# Altium PCB board_layout.pcbdoc (part 1 of 4) (continued)
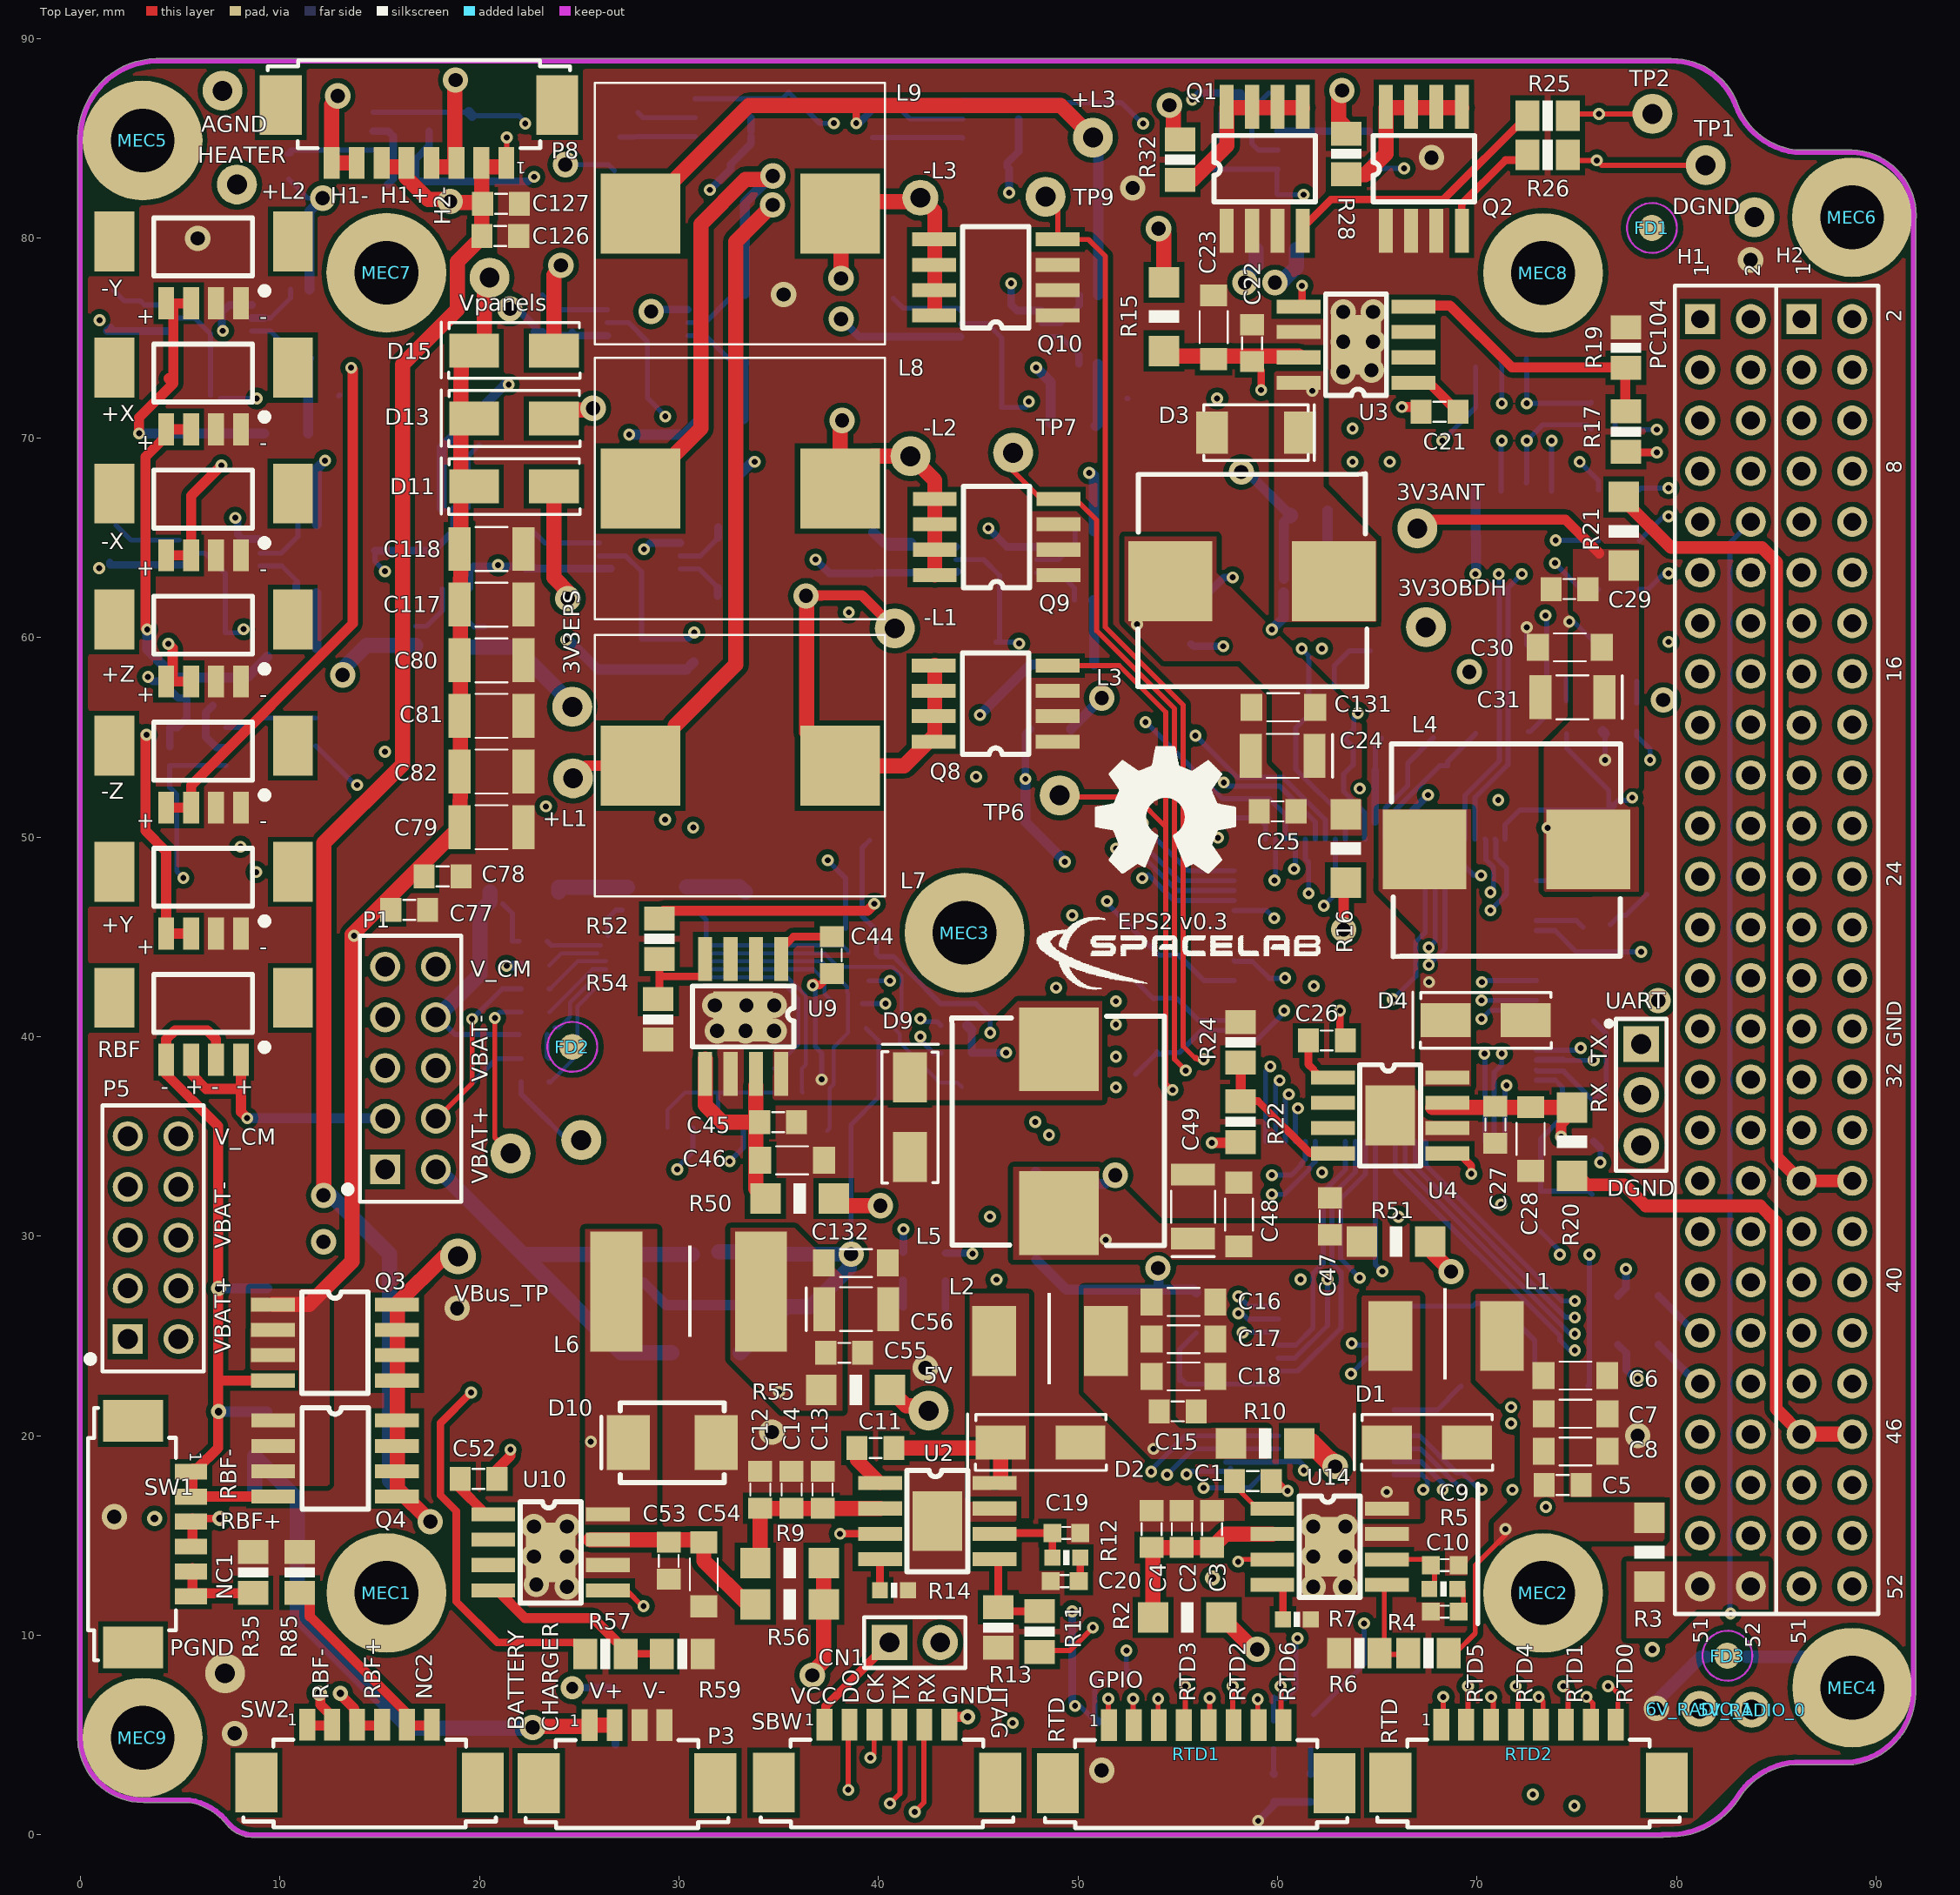
[diagram p0: Top Layer view]
## Components (designator, comment, footprint, x,y, rotation, side; value= is the part's Value field where it differs from the comment) (continued)
R14 "140k" 0603 40.775,12.256 r180 top
R15 "0R" 1206 54.306,76.076 r90 top
R16 "0R" 1206 63.41,49.426 r90 top
R17 "10k" 0805 77.456,70.312 r270 top
R18 "1k" 0603 72.716,55.876 r90 bottom
R19 "5K9" 0805 77.456,74.522 r270 top
R20 "0R" 1206 74.756,34.736 r270 top
R21 "0R" 1206 77.344,65.326 r270 top
R22 "10k" 0805 58.153,35.736 r270 top
R23 "1k" 0603 76.286,55.996 r90 bottom
R24 "5K9" 0805 58.153,39.716 r270 top
R25 "1k" 0805 73.536,86.146 r0 top
R26 "1k" 0805 73.536,84.186 r0 top
R27 "1.65K" 0805 57.646,17.356 r90 bottom
R28 "0R" 0805 63.442,84.231 r270 top
R29 "0.02R/0.5W" "1206 - ohmite" 11,75.726 r90 bottom
R30 "3k3" R0805 5.5,73.5 r0 bottom
R31 "1k" 0603 26.824,6.504 r270 bottom
R32 "0R" 0805 55.116,83.946 r270 top
R33 "150R" 0603 22.795,38.894 r0 bottom
R34 "1k" 0603 22.795,42.399 r180 bottom
R35 "100K 1/10W" 0805 8.67,13.154 r90 top
R36 "4.02K" 0805 16.326,65.516 r270 bottom
R37 "1k" 0603 40.075,40.419 r180 bottom
R38 "470R" 0603 35.506,37.196 r180 bottom
R39 "1k" 0603 22.795,37.726 r180 bottom
R40 "1k" 0603 22.795,41.231 r180 bottom
R41 "0.02R/0.5W" "1206 - ohmite" 11.35,63.904 r90 bottom
R42 "150R" 0603 38.825,42.8 r0 bottom
R43 "1k" 0603 22.795,43.568 r0 bottom
R44 "150R" 0603 39.075,44.282 r0 bottom
R45 "300K" 0603 64.666,84.593 r270 bottom
R46 "0R" 1206 35.046,47.236 r0 bottom
R47 "0R" 1206 22.256,47.236 r0 bottom
R48 "3k3" R0805 6.236,61.625 r0 bottom
R49 "0.02R/0.5W" "1206 - ohmite" 32.8,75.466 r90 bottom
R50 "0R" 1206 36.046,31.896 r0 top
R51 "0R" 1206 65.936,29.726 r180 top
R52 "10k" 0805 29.026,44.906 r90 top
R53 "1k" 0603 43.354,28.452 r90 bottom
R54 "5K9" 0805 28.966,40.866 r90 top
R55 "0R" 1206 38.856,22.306 r180 top
R56 "0R" 1206 35.545,11.559 r0 top
R57 "10k" 0805 26.316,9.076 r180 top
R58 "1k" 0603 41.226,28.503 r270 bottom
R59 "3.24k 1/8W" 0805 30.166,9.076 r180 top
R60 "1k" 0603 78.076,55.876 r270 bottom
R61 "1k" 0603 74.479,55.876 r270 bottom
R62 "47k" 0603 51.826,7.916 r0 bottom
R64 "4K7" 0603 39.1,45.425 r0 bottom
R65 "10k" R0603 76.209,70.45 r180 bottom
R66 "10k" R0603 76.209,71.774 r180 bottom
R67 "3k3" R0805 27.333,73.516 r0 bottom
R68 "0.02R/0.5W" "1206 - ohmite" 32.431,63.771 r90 bottom
R69 "93K1" 0603 10.446,83.656 r270 bottom
R70 "300K" 0603 11.805,55.27 r270 bottom
R71 "100K" 0603 11.761,84.936 r270 bottom
R72 "3k3" R0805 27.136,61.45 r0 bottom
R73 "100K" 0603 10.48,55.27 r90 bottom
R74 "93K1" 0603 26.766,84.096 r270 bottom
R75 "0.02R/0.5W" "1206 - ohmite" 50.556,75.366 r90 bottom
R76 "100K" 0603 27.946,85.606 r270 bottom
R77 "3k3" R0805 45.016,73.225 r0 bottom
R78 "0.02R/0.5W" "1206 - ohmite" 50.3,63.579 r90 bottom
R79 "3k3" R0805 45,61.481 r0 bottom
R80 "1k" R0603 75.996,45.486 r180 bottom
R81 "93K1" 0603 39.707,85.755 r90 bottom
R82 "100K" 0603 41.102,85.755 r270 bottom
R83 "10k" R0603 43.819,40.572 r180 bottom
R84 "10k" R0603 43.819,39.175 r180 bottom
R85 "100K 1/10W" 0805 10.99,13.154 r90 top
R86 "100K" 0603 63.341,84.593 r90 bottom
R87 "0R" 0805 78.076,27.008 r180 bottom
R88 "0R" 0805 78.076,24.568 r180 bottom
R89 "0R" 0805 77.107,67.4 r180 bottom
R90 "0R" 0805 77.107,64.85 r180 bottom
R91 "0R" 0805 77.107,62.41 r180 bottom
R92 "150R" R0603 38.5,41.65 r180 bottom
R93 "0R" 1206 31.36,24.17 r0 bottom
R_ESD "1.2M" 0805 82.49,8.93 r0 bottom
RBF "0533980471" "PICOBLADE 4PIN VERTICAL" 8.056,38.846 r180 top
RSense1 "0.01R/0.5W" "1206 - ohmite" 28.886,46.816 r0 bottom
Rsense3 "0.075R/0.5W" "1206 - ohmite" 18.51,60.09 r0 bottom
RTD1 "0532610871" "PICOBLADE 8PIN RIGHT ANGLE" 55.921,4.05 r0 top
RTD2 "0532610871" "PICOBLADE 8PIN RIGHT ANGLE" 72.577,4.075 r0 top
SBW "0532610671" "PICOBLADE 6PIN Right Angle" 40.425,4.075 r0 top
SW1 "0532610671" "PICOBLADE 6PIN Right Angle" 4.1,15.075 r270 top
SW2 "0532610671" "PICOBLADE 6PIN Right Angle" 14.5,4.075 r0 top
SYSTEM_FAULT "150060RS75000" 0603-RED-LED 78.56,47.83 r90 bottom
SYSTEM_ON "RED" 0603-LED 78.066,58.696 r90 bottom
TP1 "TEST_POINT" TEST_POINT#1 81.456,83.666 r0 top
TP2 "TEST_POINT" TEST_POINT#1 78.786,86.236 r0 top
TP6 "TEST_POINT" TEST_POINT#1 49.08,52.09 r0 top
TP7 "TEST_POINT" TEST_POINT#1 46.746,69.256 r0 top
TP9 "TEST_POINT" TEST_POINT#1 48.376,82.086 r0 top
U2 "TPS54540QDDARQ1" "SO8 Power PAD" 40.076,17.63 r0 top
U3 "TPS5410QDRQ1" "SO8 Power PAD" 66.806,72.766 r180 top
U4 "TPS5420QDRQ1" "SO8 Power PAD" 62.767,37.956 r0 top
U5 "ADS1248IPW" TSSOP28 65.836,26.496 r180 bottom
U6 "FDS6898AZ" SOIC8 29.426,35.426 r270 bottom
U7 "DS2777G+" TDFN-14-EP_3x5 26.346,42.576 r0 bottom
U9 "TPS5420QDRQ1" "SO8 Power PAD" 35.126,43.886 r270 top
U10 "TPS5430QDDARQ1" "SO8 Power PAD" 20.696,16.066 r0 top
U12 "MSP430F6659IPZR" PZ0100A_N 65.396,42.316 r270 bottom value=Value
U13 "REF5025AQDRQ1" SOIC-8 60.936,59.866 r270 bottom
U14 "TPS54540QDDARQ1" "SO8 Power PAD" 59.736,16.346 r0 top
U15 "MAX9934TAUA+" MSOP-8 6.57,76.334 r0 bottom
U16 "MAX9934TAUA+" MSOP-8 6.982,64.554 r0 bottom
U17 "TLV341AIDBVR" "SOT-23 6L" 16.076,85.366 r90 bottom
U18 "MAX9934TAUA+" MSOP-8 28.43,76.104 r0 bottom
U19 "TLV341AIDBVR" "SOT-23 6L" 5.886,54.486 r270 bottom
U20 "MAX9934TAUA+" MSOP-8 28.04,64.414 r0 bottom
U21 "TLV341AIDBVR" "SOT-23 6L" 32.216,86.047 r90 bottom
U22 "MAX9934TAUA+" MSOP-8 46.141,76.051 r0 bottom
U24 "TLV341AIDBVR" "SOT-23 6L" 45.627,85.98 r90 bottom
U25 "MAX9934TAUA+" MSOP-8 45.921,64.221 r0 bottom
U26 "TLV341AIDBVR" "SOT-23 6L" 58.616,84.416 r270 bottom
U27 "MAX9934TAUA+" MSOP-8 19.116,64.466 r270 bottom
U28 "TCA4311ADR" SOIC8 69.966,73.54 r270 bottom
UART "DNP" "HDR 1X3" 78.225,39.625 r270 top
V1 "47k" 0805 75.83,41.81 r90 bottom
V2 "47k" 0805 75.83,35.76 r90 bottom
V3 "47k" 0805 76.771,32.1 r0 bottom
V4 "47k" 0805 73.181,31.246 r90 bottom
VBUS_LED "DNP" 0603-LED 26.834,3.816 r270 bottom
VBus_TP "TEST_POINT" TEST_POINT#2 18.93,28.986 r90 top
Vpanels "TEST_POINT" TEST_POINT#1 20.51,78.03 r90 top
Y1 "32MHz 10ppm" XTAL_ABM8X 53.886,40.586 r135 bottom
Y2 "32.768kHz 12.5pF" "ABS06 0805" 67.526,53.576 r0 bottom

## Footprints (in the part's own frame and the unit in brackets; to place one, negate y for a bottom-side part, rotate by r counter-clockwise, add the part's x,y. Pads: shape width x height; smd on the part's side, far side on the other; paste and mask are expansions set on the pad)
0603 [mm]
  rect 0.8x0.8 smd: 1(-0.699,0) 2(0.699,0)
  silkscreen extent -0.17,-0.38 0.16,0.38, body extent -1,-0.39 1,0.39, height 0.79
0603-LED [mil]
  rect 30x30 smd: 1(-27.5,0)
  rect 31.5x31.5 smd: 2(27.5,0)
  silkscreen extent -5,-14 6,14, body extent -32,-16 32,16, height 43
0603-RED-LED [mil]
  rect 30x30 smd: 1(-27.5,0)
  rect 31.5x31.5 smd: 2(27.5,0)
  silkscreen extent -5,-14 6,14, body extent -32,-16 32,16, height 43
0805 [mil]
  rect 47.24x60 smd: 1(-40,0) 2(40,0)
  silkscreen extent -10,-30 10,30, body extent -50,-24 49,25, height 31
1206 [mil]
  rect 60x60 smd: 1(-67.5,0) 2(67.5,0)
  silkscreen extent -12,-30 13,30, body extent -79,-31 78,32, height 60
"1206 - ohmite" [mm]
  rect 1.5x0.57 smd: 1(-1.725,0.475) 2(1.725,0.5) 3(-1.725,-0.475) 4(1.725,-0.45)
  silkscreen extent -0.32,-0.76 0.32,0.76, body extent -2.01,-0.8 1.99,0.8, height 1.53
"ABS06 0805" [mm]
  rect 1x1.3 smd: 1(-1,0) 2(1,0)
  silkscreen extent -1.7,-0.85 1.7,0.85, body extent -1,-0.6 1,0.62, height 0.6
CC0603 [mm] "TDK mlccspec_commercial_general_midvoltage_en.pdf"
  rect 0.9x0.9 smd: 1(-0.7,0) 2(0.7,0)
  silkscreen extent -0.2,-0.3 0.2,0.3, body extent -1,-0.39 1,0.39, height 0.78
CC0805 [mm] "TDK mlccspec_commercial_general_midvoltage_en.pdf"
  rect 1.05x1.2 smd: 1(-0.925,0) 2(0.925,0)
  silkscreen extent -0.3,-0.5 0.3,0.5, body extent -1.25,-0.62 1.25,0.62, height 0.78
CC0805_Tantalum [mm] "TDK mlccspec_commercial_general_midvoltage_en.pdf"
  rect 1.2x1.2 smd: 1(-0.93,0) 2(0.93,0)
  silkscreen extent -1.73,-0.7 0.18,0.67, body extent -1.04,-0.59 1.21,0.76, height 1.35
CC1206 [mm] "TDK mlccspec_commercial_general_midvoltage_en.pdf"
  rect 1.1x1.35 smd: 1(-1.6,0) 2(1.6,0)
  silkscreen extent -0.8,-0.7 0.8,0.7, body extent -2,-0.8 2,0.8, height 1.51
cc1210 [mm] "TDK mlccspec_commercial_general_midvoltage_en.pdf"
  rect 1.1x2.2 smd: 1(-1.6,0) 2(1.6,0)
  silkscreen extent -0.8,-1.1 0.8,1.1, body extent -2,-1.24 2,1.24, height 1.69
CC1210 [mm] "TDK mlccspec_commercial_general_midvoltage_en.pdf"
  rect 1.1x2.2 smd: 1(-1.6,0) 2(1.6,0)
  silkscreen extent -0.8,-1.1 0.8,1.1, body extent -2,-1.24 2,1.24, height 1.69
cms06 [mm]
  rect 1.6x2.1 smd: 1(-2.2,0) 2(2.2,0)
  silkscreen extent -2.92,-1.4 2.62,1.4, body extent -2.35,-1.2 2.35,1.2, height 0.97
DO-214AA [mm]
  rect 2.159x2.743 smd: 1(-2.21,0) 2(2.21,0)
  silkscreen extent -3.56,-2 2.6,2, body extent -2.78,-1.9 2.72,2, height 2.45
DO-214AC [mm]
  rect 2.5x1.7 smd: 1(-2,0) 2(2,0)
  silkscreen extent -3.65,-1.4 3.3,1.43, body extent -2.62,-1.37 2.88,1.43, height 2.6
"Fiducial 1.3mm" [mm]
  round 1.3 smd mask+0.6: FD0(0,0)
  Top Layer keep-out circle w0.1: c0,0 r1.25
"HDR4 PicoBlade" [mm]
  rect 2x3 smd: 0(-2.6,-3.1) 0(6.35,-3.1)
  rect 0.8x1.6 smd: 1(0,0) 2(1.25,0) 3(2.5,0) 4(3.75,0)
  silkscreen extent -1.26,-4.28 4.37,-0.54, body extent -3.15,-4.43 7,-0.23, height 4.7
"HDR 1X2" [mil]
  rect 70x70 hole 39: 1(-50,0)
  round 70 hole 39: 2(50,0)
  silkscreen extent -100,-50 100,50
"HDR 1X3" [mil]
  rect 70x70 hole 39: 1(0,0)
  round 70 hole 39: 2(100,0) 3(200,0)
  silkscreen extent -50,-69 250,50
IND0805 [mm]
  rect 0.8x1.05 smd: 1(-0.925,0) 2(0.925,0)
  silkscreen extent -0.3,-0.5 0.3,0.5, body extent -1,-0.6 1,0.6, height 0.95
IND1210 [mm]
  rect 1.1x2.2 smd: 1(-1.6,0) 2(1.6,0)
  silkscreen extent -0.8,-1.1 0.8,1.1, body extent -1.6,-1.25 1.6,1.25, height 1.35
IND_744325xxx [mm]
  rect 4x4.2 smd paste+0: 1(0,0)
  rect 4x4.2 smd: 2(0,8.2)
  silkscreen extent -5.28,-1.65 5.38,9.83, body extent -5.08,-1.33 5.43,9.67, height 4.72
IND_HC9 [mm]
  rect 4x4 smd paste+0: 1(0,0)
  rect 4x4 smd: 2(0,10)
  silkscreen extent -6.55,-2.29 6.55,12.24, body extent -6.2,-1.25 6.1,11.05, height 8.1
Ind_IHLP [mm]
  rect 2.6x6 smd: 1(0,0) 2(7.239,0)
  silkscreen extent 3.6,-2.27 3.78,2.3, body extent 0,-3.27 6.8,3.52, height 3.1
Ind_SRP6540 [mm]
  rect 2.2x3.5 smd: 1(0,0) 2(5.6,0)
  silkscreen extent 2.65,-2.17 2.83,2.4, body extent -0.58,-3.4 6.22,3.4, height 3.1
IPS1-105-01-S-D [mm] "10 Positions Header, Shrouded Connector 0.100\" (2.54mm) Through Hole Gold"
  rect 1.5x1.5 hole 1: 1(0,0)
  round 1.5 hole 1: 2(0,-2.54) 3(2.54,0) 4(2.54,-2.54) 5(5.08,0) 6(5.08,-2.54) 7(7.62,0) 8(7.62,-2.54) 9(10.16,0) 10(10.16,-2.54)
  silkscreen extent -1.63,-3.81 11.7,2.03, body extent -1.46,-3.78 11.62,1.18, height 8.52
"M3 hole" [mm]
  round 6 hole 3.2: 0(0,0)
MSOP-8 [mm] "8-Lead Mini Small Outline Package [MSOP] (RM-8)"
  rect 1.5x0.45 smd: 1(-2.025,0.975) 2(-2.025,0.325) 3(-2.025,-0.325) 4(-2.025,-0.975) 5(2.025,-0.975) 6(2.025,-0.325) 7(2.025,0.325) 8(2.025,0.975)
  silkscreen extent -2.15,-1.6 0.87,1.87, body extent -2.46,-1.5 2.46,1.5, height 1.1
PC104 [mm] "Connector; Header; 26x4 Position"
  rect 1.5x1.5 hole 0.9: H1-1(63.5,7.7) H2-1(63.5,2.625)
  round 1.5 hole 0.9: H1-2(63.5,5.16) H1-3(60.96,7.7) H1-4(60.96,5.16) H1-5(58.42,7.7) H1-6(58.42,5.16) H1-7(55.88,7.7) H1-8(55.88,5.16) H1-9(53.34,7.7) H1-10(53.34,5.16) H1-11(50.8,7.7) H1-12(50.8,5.16) H1-13(48.26,7.7) H1-14(48.26,5.16) H1-15(45.72,7.7) H1-16(45.72,5.16) H1-17(43.155,7.7) H1-18(43.18,5.16) H1-19(40.64,7.7) H1-20(40.64,5.16) H1-21(38.1,7.7) H1-22(38.1,5.16) H1-23(35.56,7.7) H1-24(35.56,5.16) H1-25(33.02,7.7) H1-26(33.02,5.16) H1-27(30.48,7.7) H1-28(30.48,5.16) H1-29(27.94,7.7) H1-30(27.94,5.16) H1-31(25.4,7.7) H1-32(25.4,5.16) H1-33(22.86,7.7) H1-34(22.86,5.16) H1-35(20.32,7.7) H1-36(20.32,5.16) H1-37(17.78,7.7) H1-38(17.78,5.16) H1-39(15.24,7.7) H1-40(15.24,5.16) H1-41(12.7,7.7) H1-42(12.7,5.16) H1-43(10.16,7.7) H1-44(10.16,5.16) H1-45(7.62,7.7) H1-46(7.62,5.16) H1-47(5.08,7.7) H1-48(5.08,5.16) H1-49(2.54,7.7) H1-50(2.54,5.16) H1-51(0,7.7) H1-52(0,5.16) H2-2(63.5,0.08) H2-3(60.96,2.62) H2-4(60.96,0.08) H2-5(58.42,2.62) H2-6(58.42,0.08) H2-7(55.88,2.62) H2-8(55.88,0.08) H2-9(53.34,2.625) H2-10(53.34,0.08) H2-11(50.8,2.625) H2-12(50.8,0.08) H2-13(48.26,2.62) H2-14(48.26,0.08) H2-15(45.72,2.62) H2-16(45.72,0.08) H2-17(43.155,2.62) H2-18(43.18,0.08) H2-19(40.64,2.62) H2-20(40.64,0.08) H2-21(38.1,2.62) H2-22(38.1,0.08) H2-23(35.56,2.62) H2-24(35.56,0.08) H2-25(33.02,2.62) H2-26(33.02,0.08) H2-27(30.48,2.62) H2-28(30.48,0.08) H2-29(27.94,2.62) H2-30(27.94,0.08) H2-31(25.4,2.62) H2-32(25.4,0.08) H2-33(22.86,2.62) H2-34(22.86,0.08) H2-35(20.32,2.62) H2-36(20.32,0.08) H2-37(17.78,2.62) H2-38(17.78,0.08) H2-39(15.24,2.62) H2-40(15.24,0.08) H2-41(12.7,2.62) H2-42(12.7,0.08) H2-43(10.16,2.62) H2-44(10.16,0.08) H2-45(7.62,2.62) H2-46(7.62,0.08) H2-47(5.08,2.62) H2-48(5.08,0.08) H2-49(2.54,2.62) H2-50(2.54,0.08) H2-51(0,2.62) H2-52(0,0.08)
  silkscreen extent -1.37,-1.22 65.17,8.97, body extent -1.52,-1.21 65.02,8.95, height 8.52
"PICOBLADE 4PIN RIGHT ANGLE" [mm]
  rect 2.1x3 smd: 0(-4.425,-1.45) 0(4.425,-1.45)
  rect 0.8x1.6 smd: 1(-1.875,1.45) 2(-0.625,1.45) 3(0.625,1.45) 4(1.875,1.45)
  silkscreen extent -5.08,-3.7 5.07,0.7, body extent -5.07,-3.6 5.08,1.6, height 3.5
"PICOBLADE 4PIN VERTICAL" [mm]
  rect 2x3 smd: 0(-2.6,-3.1) 0(6.35,-3.1)
  rect 0.8x1.6 smd: 1(0,0) 2(1.25,0) 3(2.5,0) 4(3.75,0)
  silkscreen extent -1.26,-4.27 4.37,-0.54, body extent -3.15,-4.42 7,-0.22, height 4.7
"PICOBLADE 6PIN Right Angle" [mm]
  rect 2.1x3 smd: 0(-5.675,-1.45) 0(5.675,-1.45)
  rect 0.8x1.6 smd: 1(-3.125,1.45) 2(-1.875,1.45) 3(-0.625,1.45) 4(0.625,1.45) 5(1.875,1.45) 6(3.125,1.45)
  silkscreen extent -6.33,-3.7 6.32,0.7, body extent -6.32,-3.6 6.33,1.6, height 3.5
"PICOBLADE 8PIN RIGHT ANGLE" [mm]
  rect 2.1x3 smd: 0(-6.925,-1.45) 0(6.925,-1.45)
  rect 0.8x1.6 smd: 1(-4.375,1.45) 2(-3.125,1.45) 3(-1.875,1.45) 4(-0.625,1.45) 5(0.625,1.45) 6(1.875,1.45) 7(3.125,1.45) 8(4.375,1.45)
  silkscreen extent -7.57,-3.7 7.57,0.7, body extent -7.57,-3.6 7.57,1.6, height 3.5
PZ0100A_N [mm]
  oval 1.75x0.3 smd paste-0.102 mask+0.051: 1(-7.575,6) 2(-7.575,5.5) 3(-7.575,5) 4(-7.575,4.5) 5(-7.575,4) 6(-7.575,3.5) 7(-7.575,3) 8(-7.575,2.5) 9(-7.575,2) 10(-7.575,1.5) 11(-7.575,1) 12(-7.575,0.5) 13(-7.575,0) 14(-7.575,-0.5) 15(-7.575,-1) 16(-7.575,-1.5) 17(-7.575,-2) 18(-7.575,-2.5) 19(-7.575,-3) 20(-7.575,-3.5) 21(-7.575,-4) 22(-7.575,-4.5) 23(-7.575,-5) 24(-7.575,-5.5) 25(-7.575,-6) 51(7.575,-6) 52(7.575,-5.5) 53(7.575,-5) 54(7.575,-4.5) 55(7.575,-4) 56(7.575,-3.5) 57(7.575,-3) 58(7.575,-2.5) 59(7.575,-2) 60(7.575,-1.5) 61(7.575,-1) 62(7.575,-0.5) 63(7.575,0) 64(7.575,0.5) 65(7.575,1) 66(7.575,1.5) 67(7.575,2) 68(7.575,2.5) 69(7.575,3) 70(7.575,3.5) 71(7.575,4) 72(7.575,4.5) 73(7.575,5) 74(7.575,5.5) 75(7.575,6)
  oval 0.3x1.75 smd paste-0.102 mask+0.051: 26(-6,-7.575) 27(-5.5,-7.575) 28(-5,-7.575) 29(-4.5,-7.575) 30(-4,-7.575) 31(-3.5,-7.575) 32(-3,-7.575) 33(-2.5,-7.575) 34(-2,-7.575) 35(-1.5,-7.575) 36(-1,-7.575) 37(-0.5,-7.575) 38(0,-7.575) 39(0.5,-7.575) 40(1,-7.575) 41(1.5,-7.575) 42(2,-7.575) 43(2.5,-7.575) 44(3,-7.575) 45(3.5,-7.575) 46(4,-7.575) 47(4.5,-7.575) 48(5,-7.575) 49(5.5,-7.575) 50(6,-7.575) 76(6,7.575) 77(5.5,7.575) 78(5,7.575) 79(4.5,7.575) 80(4,7.575) 81(3.5,7.575) 82(3,7.575) 83(2.5,7.575) 84(2,7.575) 85(1.5,7.575) 86(1,7.575) 87(0.5,7.575) 88(0,7.575) 89(-0.5,7.575) 90(-1,7.575) 91(-1.5,7.575) 92(-2,7.575) 93(-2.5,7.575) 94(-3,7.575) 95(-3.5,7.575) 96(-4,7.575) 97(-4.5,7.575) 98(-5,7.575) 99(-5.5,7.575) 100(-6,7.575)
  silkscreen extent -7.7,-6.3 6.3,6.82, body extent -8.1,-8.1 8.05,8.05, height 1.62
R0603 [mm]
  rect 0.8x0.8 smd: 1(-0.699,0) 2(0.699,0)
  silkscreen extent -0.17,-0.38 0.16,0.38, body extent -1,-0.39 1,0.39, height 0.79
R0805 [mil]
  rect 47.24x60 smd: 1(-40,0) 2(40,0)
  silkscreen extent -10,-30 10,30, body extent -50,-24 49,25, height 31
"SO8 Power PAD" [mm]
  rect 2.2x0.7 smd: 1(0,0) 2(0,-1.27) 3(0,-2.54) 4(0,-3.81) 5(5.75,-3.81) 6(5.75,-2.54) 7(5.75,-1.27) 8(5.75,0)
  rect 2.49x3 smd: 9(2.875,-1.905)
  silkscreen extent 1.35,-4.44 4.4,0.64, body extent -0.13,-4.4 5.87,0.6, height 1.7
SOD323F [mm]
  rect 0.63x0.9 smd mask+0.05: 1(-1.15,0)
  rect 0.63x0.89 smd mask+0.05: 2(1.05,0)
  silkscreen extent -1.15,-0.8 1.1,0.8, body extent -1.45,-0.67 1.35,0.68, height 0.75
SOIC8 [mm]
  rect 2.2x0.7 smd: 1(0,0) 2(0,-1.27) 3(0,-2.54) 4(0,-3.81) 5(6.205,-3.81) 6(6.205,-2.54) 7(6.205,-1.27) 8(6.205,0)
  silkscreen extent 1.45,-4.45 4.77,0.63, body extent 0.1,-4.4 6.1,0.6, height 1.7
SOIC8_Mosfet [mm]
  rect 2.2x0.7 smd: 1(0,0) 1(0,-1.27) 1(0,-2.54) 2(0,-3.81) 3(6.205,-3.81) 3(6.205,-2.54) 3(6.205,-1.27) 3(6.205,0)
  silkscreen extent 1.45,-4.44 4.77,0.64, body extent 0.1,-4.4 6.1,0.6, height 1.7
SOIC-8 [mm] "SOIC, 8-Leads, Body 4,89x3,90mm, Pitch 1,27mm, IPC Medium Density"
  oval 2.2x0.6 smd: 1(-2.4,1.905) 2(-2.4,0.635) 3(-2.4,-0.635) 4(-2.4,-1.905) 5(2.4,-1.905) 6(2.4,-0.635) 7(2.4,0.635) 8(2.4,1.905)
  silkscreen extent -2.52,-2.5 0.9,2.88, body extent -3,-2.45 3,2.45, height 1.75
"SOT-23 6L" [mm]
  rect 0.508x1.27 smd: 1(-0.95,-1.4) 2(0,-1.4) 3(0.95,-1.4) 4(0.95,1.4) 5(0,1.4) 6(-0.95,1.4)
  silkscreen extent -1.88,-1.13 1.46,0.51, body extent -1.5,-1.4 1.5,1.4, height 0.86
TDFN-14-EP_3x5 [mm]
  rect 0.9x0.2 smd: 1(0,0) 2(0,-0.4) 3(0,-0.8) 4(0,-1.2) 6(0,-2) 7(0,-2.4) 8(4.9,-2.4) 9(4.9,-2) 10(4.9,-1.6) 11(4.9,-1.2) 12(4.9,-0.8) 13(4.9,-0.4) 14(4.9,0)
  rect 0.9x0.2 smd paste+0: 5(0,-1.6)
  rect 3.2x2.4 smd: 15(2.425,-1.2)
  silkscreen extent -1.02,-2.7 5.53,0.7, body extent -0.17,-2.67 5.03,0.33, height 0.8
TEST_POINT#1 [mm]
  round 2 hole 1: 1(0,0)
TEST_POINT#2 [mm]
  round 1.8 hole 1: 1(0,0)
TSSOP28 [mm]
  rect 1.55x0.3 smd: 1(0,0) 2(0,-0.65) 3(0,-1.3) 4(0,-1.95) 5(0,-2.6) 6(0,-3.25) 7(0,-3.9) 8(0,-4.55) 9(0,-5.2) 10(0,-5.85) 11(0,-6.5) 12(0,-7.15) 13(0,-7.8) 14(0,-8.45) 15(5.8,-8.45) 16(5.8,-7.8) 17(5.8,-7.15) 18(5.8,-6.5) 19(5.8,-5.85) 20(5.8,-5.2) 21(5.8,-4.55) 22(5.8,-3.9) 23(5.8,-3.25) 24(5.8,-2.6) 25(5.8,-1.95) 26(5.8,-1.3) 27(5.8,-0.65) 28(5.8,0)
  silkscreen extent 0.61,-9.13 4.29,1.06, body extent -0.3,-9.07 6.1,0.63, height 1.02
XTAL_ABM8X [mm]
  rect 1x1 smd: 1(-1,-0.9) 2(1,-0.85) 3(1,0.85) 4(-1,0.85)
  silkscreen extent -1.93,-1.73 1.75,1.42, body extent -1.6,-1.22 1.6,1.28, height 0.6

## Part data
3V3_ANT 3V3_EPS_BEACON 3V3_MCU 3V3_OBDH 5V_PAYLOADS_LED 5V_RADIO_0_LED 6V_RADIO_1_LED VBUS_LED: library part LED/G_0603, "SMD Green LED", Case Code (Imperial)=0603, Case Code (Metric)=1608, Color=Green, Forward Current=30mA, Forward Voltage=2V, Manufacturer="Wurth Electronics", Manufacturer Part Number=150060VS75000, Max Operating Temperature=85°C, Min Operating Temperature=-40°C, Package Quantity=1, Supplier Part Number 1=710-150060VS75000, Test Current=20mA, Case/Package=0603, ComponentLink1Description=https://katalog.we-online.de/led/datasheet/150060VS75000.pdf?src-supplier=Digi-Key, ComponentLink1URL=https://katalog.we-online.de/led/datasheet/150060VS75000.pdf?src-supplier=Digi-Key, Dominant Wavelength=570nm, Height=0.7mm, Length=1.6mm, Lens Style=Clear,Rectangular, Luminous Intensity=40mcd, Mount="Surface Mount", NCM=8541.40.21, Number of Pins=2, Packaging="Tape and Reel", Partnumber=150060VS75000, Pricing 1="1=0.14, 10=0.138, 25=0.138, 50=0.129, 100=0.11, 250=0.11 (USD)", Pricing 2="1=0.14, 50=0.133, 100=0.114, 500=0.099 (USD)", REACH SVHC=Unknown, Stock 1=16336, Stock 2=31910, Supplier 1=Mouser, Supplier 2=Digi-Key, Supplier Part Number 2=732-4980-1-ND, Viewing Angle=140°, Wavelength=570nm, Width=0.8mm
3V3ANT 3V3EPS 3V3OBDH 5V 5V_RADIO_0 6V_RADIO_1 +L1 +L2 +L3 -L1 -L2 -L3 CC DC TP1 TP2 TP6 TP7 TP9 VBus_TP Vpanels: "Test point"
+X +Y +Z -X -Y -Z: "Header, 4-Pin", Color=Natural, Contact Resistance=20mR, Current Rating=1A, Flammability Rating="UL94 V-0", Insulation Resistance=100MR, Manufacturer=Molex, Manufacturer Part Number=53398-0471, Max Operating Temperature=85°C, Min Operating Temperature=-40°C, Package Quantity=1000, Supplier Part Number 1=538-53398-0471, Voltage Rating=125V, Body Plating=Tin, ComponentLink1Description=http://www.mouser.com/ds/2/276/0533980471_PCB_HEADERS-171069.pdf?src-supplier=Mouser, ComponentLink1URL=http://www.mouser.com/ds/2/276/0533980471_PCB_HEADERS-171069.pdf?src-supplier=Mouser, ComponentLink2Description=http://www.jameco.com/Jameco/Products/ProdDS/1932627.pdf?src-supplier=Jameco, ComponentLink2URL=http://www.jameco.com/Jameco/Products/ProdDS/1932627.pdf?src-supplier=Jameco, ComponentLink3Description=https://www.distrelec.biz/Web/Downloads/46/_e/gf116833-116846_e.pdf?mime=application%2Fpdf&src-supplier=Distrelec, ComponentLink3URL=https://www.distrelec.biz/Web/Downloads/46/_e/gf116833-116846_e.pdf?mime=application%2Fpdf&src-supplier=Distrelec, ComponentLink4Description=http://www.molex.com/webdocs/datasheets/pdf/en-us/0533980471_PCB_HEADERS.pdf?src-supplier=Element14, ComponentLink4URL=http://www.molex.com/webdocs/datasheets/pdf/en-us/0533980471_PCB_HEADERS.pdf?src-supplier=Element14, ComponentLink5Description=http://www.farnell.com/datasheets/1867381.pdf?src-supplier=Element14, ComponentLink5URL=http://www.farnell.com/datasheets/1867381.pdf?src-supplier=Element14, ComponentLink6Description=http://uk.rs-online.com/webdocs/13c4/0900766b813c4500.pdf?src-supplier=RSComponents, ComponentLink6URL=http://uk.rs-online.com/webdocs/13c4/0900766b813c4500.pdf?src-supplier=RSComponents, ComponentLink7Description=http://www.molex.com/webdocs/datasheets/pdf/en-us/0533980471_PCB_HEADERS.pdf?src-supplier=Farnell, ComponentLink7URL=http://www.molex.com/webdocs/datasheets/pdf/en-us/0533980471_PCB_HEADERS.pdf?src-supplier=Farnell, ComponentLink8Description=http://www.farnell.com/datasheets/2697809.pdf?src-supplier=Element14, ComponentLink8URL=http://www.farnell.com/datasheets/2697809.pdf?src-supplier=Element14, ComponentLink9Description=http://www.molex.com/webdocs/datasheets/pdf/en-us/0533980471_PCB_HEADERS.pdf?src-supplier=Avnet, ComponentLink9URL=http://www.molex.com/webdocs/datasheets/pdf/en-us/0533980471_PCB_HEADERS.pdf?src-supplier=Avnet, ComponentLink10Description=http://www.molex.com/webdocs/datasheets/pdf/en-us/0533980471_PCB_HEADERS.pdf?src-supplier=Avnet+Europe, ComponentLink10URL=http://www.molex.com/webdocs/datasheets/pdf/en-us/0533980471_PCB_HEADERS.pdf?src-supplier=Avnet+Europe, Contact Material=Bronze,Tin,Brass, Contact Plating=Tin, Gender=Male, Glow Wire Compliant=Non-compliant, Housing Color=Natural, Housing Material=Nylon, LatestRevisionDate=17-Jul-2002, LatestRevisionNote="Re-released for DXP Platform.", Lead Free="Lead Free", Lead Pitch=1.25mm, Mount="Surface Mount", Number of Circuits=4, Number of Contacts=4, Number of Positions=4, Number of Rows=1, Orientation=Vertical, Packaging="Tape and Reel", Partnumber=53398-0471, Pitch=1.25mm, Pricing 1="1=0.98, 10=0.832, 100=0.716, 500=0.6, 1000=0.391, 2000=0.342 (USD)", Pricing 2="1=1.19, 10=1.044, 100=0.901, 500=0.73716 (USD)", Publisher="Altium Limited", Radiation Hardening=No, REACH SVHC=Unknown, Stock 1=43251, Stock 2=20817, Supplier 1=Mouser, Supplier 2=Digi-Key, Supplier Part Number 2=WM7608CT-ND, Termination=Solder, Voltage Rating (AC)=125V, Voltage Rating (DC)=125V, Working Voltage=125V
C1 C2 C5 C11 C12 C15 C22 C25 C27 C29 C45 C47 C53 C55 C62 C77 C78 C126 C127: library part Cap_Cer_X7R_0.1uF_50V_0805, "CAP CER 0.1UF 50V 10% X7R 0805", Capacitance=100nF, Case Code (Imperial)=0805, Case Code (Metric)=2012, Dielectric=X7R, Insulation Resistance=100GR, Manufacturer=Yageo, Manufacturer Part Number=CC0805KRX7R9BB104, Max Operating Temperature=125°C, Min Operating Temperature=-55°C, Package Quantity=1, Supplier Part Number 1=603-CC805KRX7R9BB104, Tolerance=10%, Voltage=50V, Case/Package=0805, ComponentLink1Description=http://www.yageo.com/documents/recent/UPY-GPHC_X7R_6.3V-to-50V_8.pdf?src-supplier=Avnet, ComponentLink1URL=http://www.yageo.com/documents/recent/UPY-GPHC_X7R_6.3V-to-50V_8.pdf?src-supplier=Avnet, ComponentLink2Description=http://www.farnell.com/datasheets/1489800.pdf?src-supplier=Element14, ComponentLink2URL=http://www.farnell.com/datasheets/1489800.pdf?src-supplier=Element14, ComponentLink3Description=http://www.yageo.com/documents/recent/UPY-GPHC_X7R_6.3V-to-50V_18.pdf?src-supplier=Digi-Key, ComponentLink3URL=http://www.yageo.com/documents/recent/UPY-GPHC_X7R_6.3V-to-50V_18.pdf?src-supplier=Digi-Key, ComponentLink4Description=http://www.farnell.com/datasheets/2167236.pdf?src-supplier=Element14, ComponentLink4URL=http://www.farnell.com/datasheets/2167236.pdf?src-supplier=Element14, ComponentLink5Description=http://www.yageo.com/documents/recent/UPY-GPHC_X7R_6.3V-to-50V_8.pdf?src-supplier=Avnet+Europe, ComponentLink5URL=http://www.yageo.com/documents/recent/UPY-GPHC_X7R_6.3V-to-50V_8.pdf?src-supplier=Avnet+Europe, ComponentLink6Description=http://www.produktinfo.conrad.com/datenblaetter/425000-449999/445210-da-01-en-KERKO_CHIP_0805_X7R_0_1uF_10Proz_50VG.pdf?src-supplier=Conrad, ComponentLink6URL=http://www.produktinfo.conrad.com/datenblaetter/425000-449999/445210-da-01-en-KERKO_CHIP_0805_X7R_0_1uF_10Proz_50VG.pdf?src-supplier=Conrad, Depth=1.25mm, Halogen Free="Halogen Free", Height=0.85mm, Lead Free="Lead Free", Length=2mm, Material=Ceramic, Mount="Surface Mount", Number of Pins=2, Packaging="Tape and Reel", Partnumber=CC0805KRX7R9BB104, Pricing 1="1=0.12, 10=0.087, 100=0.028, 1000=0.023, 4000=0.018, 8000=0.017 (USD)", Pricing 2="1=0.12, 10=0.088, 50=0.05, 100=0.0414, 500=0.02906, 1000=0.02405 (USD)", Radiation Hardening=No, REACH SVHC="No SVHC", Stock 1=3904445, Stock 2=544494, Supplier 1=Mouser, Supplier 2=Digi-Key, Supplier Part Number 2=311-1140-1-ND, Termination=SMD/SMT, Thickness=0.033inch, Voltage Rating=50V, Width=0.049inch